# Altium PCB BMS-P00-V00_Edits.PcbDoc (part 1 of 2) (continued)
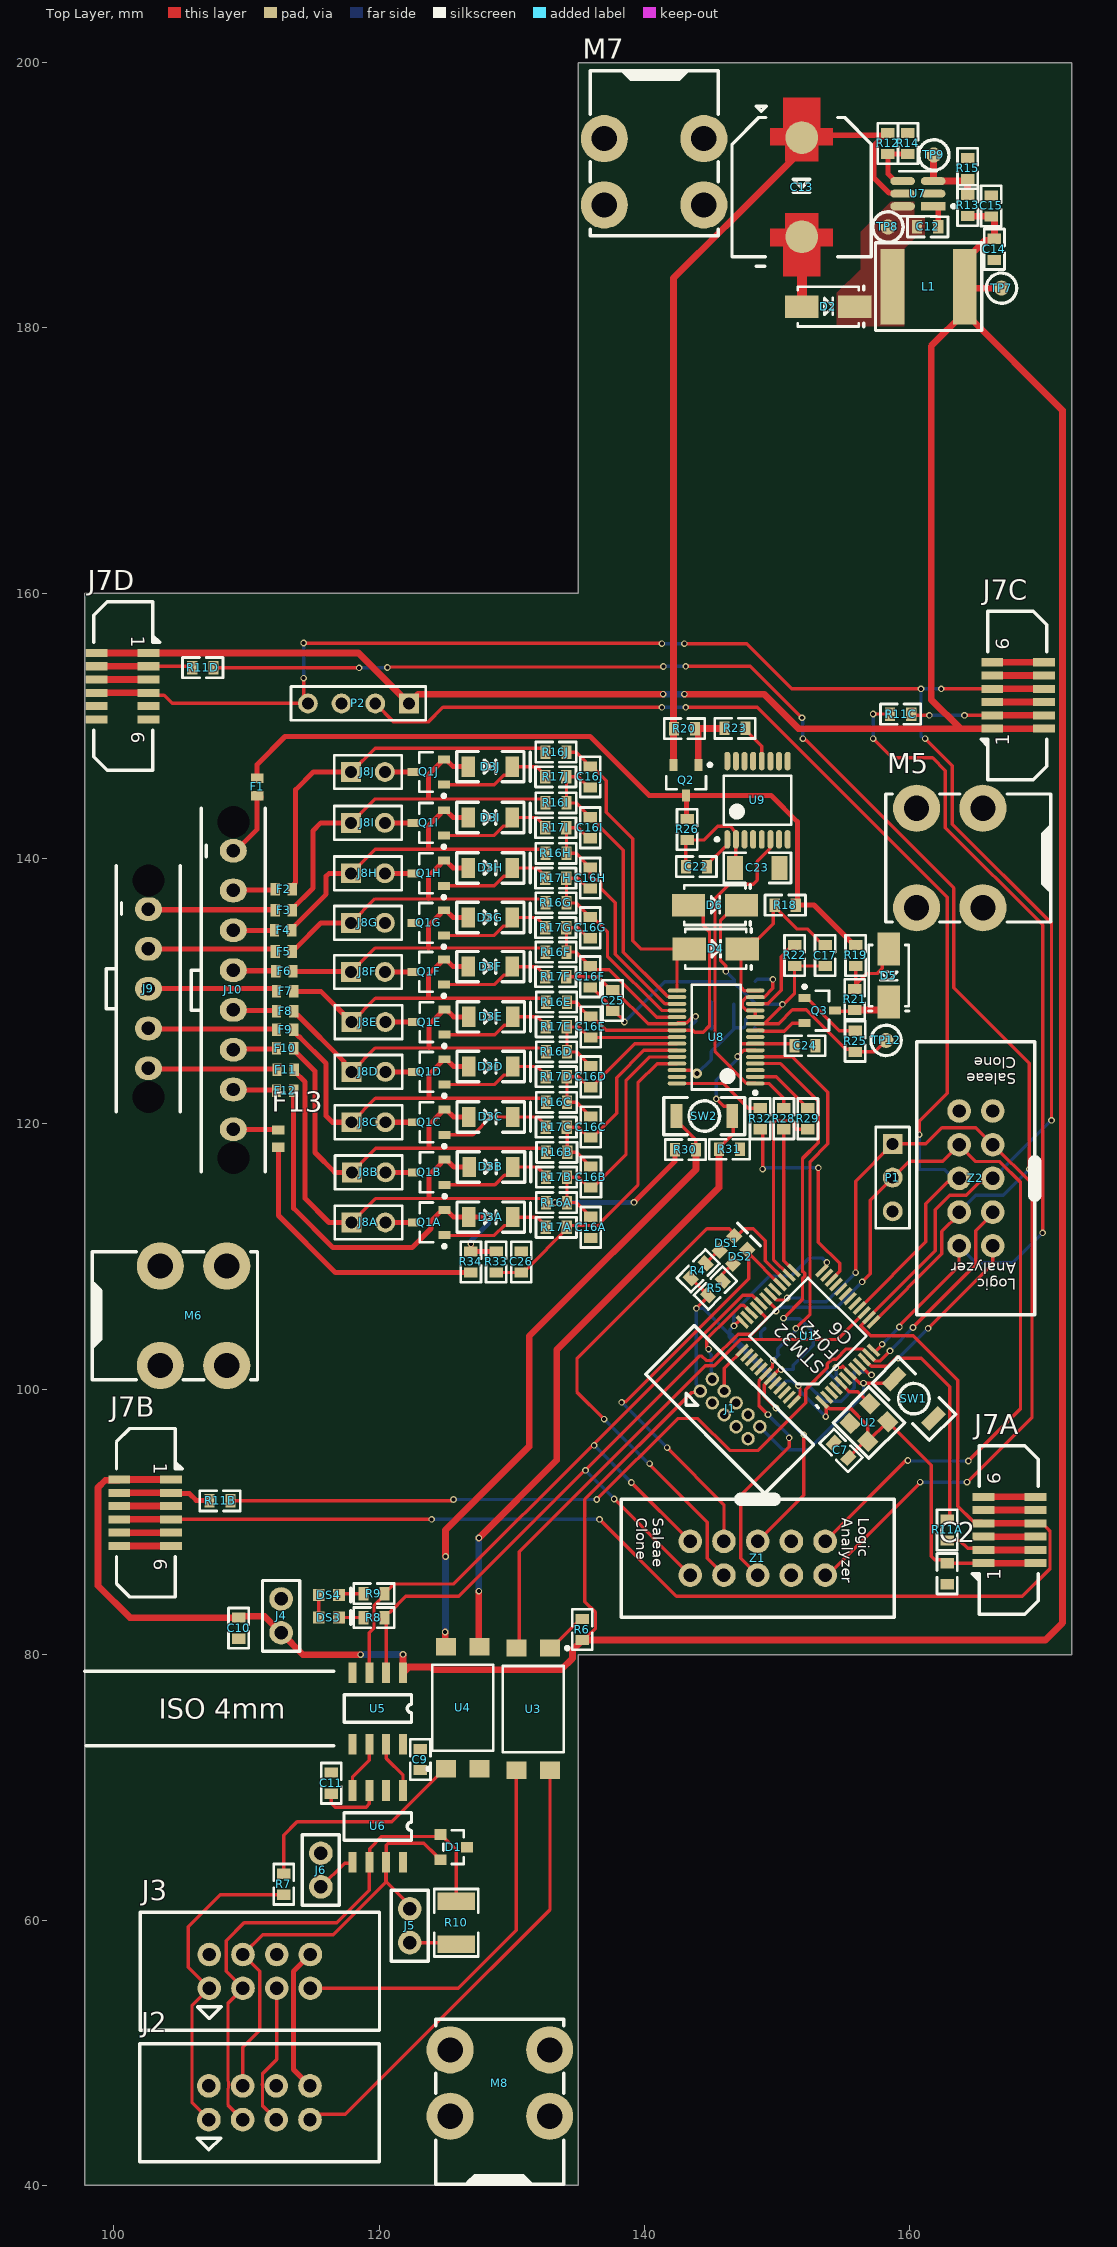
[diagram p0: Top Layer view]
## Components (designator, comment, footprint, x,y, rotation, side; value= is the part's Value field where it differs from the comment)
C1 "100nF" Cap_Ceramic_0603 151.708,108.075 r135 bottom
C2 "4u7" Cap_Ceramic_0603 162.8,86.1 r90 top
C3 "100nF" Cap_Ceramic_0603 151.778,99.78 r45 bottom
C4 "4u7" Cap_Ceramic_0603 152.883,98.644 r45 bottom
C5 "100nF" Cap_Ceramic_0603 147.069,104.588 r225 bottom
C6 "4u7" Cap_Ceramic_0603 148.246,103.343 r225 bottom
C7 "100nF" Cap_Ceramic_0603 154.8,95.4 r315 top
C8 "100nF" Cap_Ceramic_0603 154.169,102.021 r225 bottom
C9 "100nF" Cap_Ceramic_0603 123.1,72.1 r90 top
C10 "100nF" Cap_Ceramic_0603 109.4,82 r90 top
C11 "100nF" Cap_Ceramic_0603 116.383,70.315 r270 top
C12 "100nF 100V" Cap_Ceramic_0603 161.338,187.61 r180 top
C13 "47uF 80V 10% AluPoly 10x10mm" CAP_ALU_10x10mm 151.838,190.61 r90 top
C14 "47uF 16V 1210" Cap_Ceramic_0603 166.37,185.928 r90 top
C15 "47uF 16V 1210" Cap_Ceramic_0603 166.116,189.199 r270 top
C16A "220nF" Cap_Ceramic_0603 135.938,112.215 r90 top (schematic designator C16)
C16B "220nF" Cap_Ceramic_0603 135.957,115.993 r90 top (schematic designator C16)
C16C "220nF" Cap_Ceramic_0603 135.938,119.765 r90 top (schematic designator C16)
C16D "220nF" Cap_Ceramic_0603 135.938,123.565 r90 top (schematic designator C16)
C16E "220nF" Cap_Ceramic_0603 135.938,127.315 r90 top (schematic designator C16)
C16F "220nF" Cap_Ceramic_0603 135.902,131.095 r90 top (schematic designator C16)
C16G "220nF" Cap_Ceramic_0603 135.902,134.795 r90 top (schematic designator C16)
C16H "220nF" Cap_Ceramic_0603 135.904,138.531 r90 top (schematic designator C16)
C16I "220nF" Cap_Ceramic_0603 135.904,142.331 r90 top (schematic designator C16)
C16J "220nF" Cap_Ceramic_0603 135.904,146.165 r90 top (schematic designator C16)
C17 "220nF" Cap_Ceramic_0603 153.6,132.693 r90 top
C18 "1uF 25V" Cap_Ceramic_0603 147.545,130.743 r0 bottom
C19 "10uF 25V 1206" Cap_Ceramic_1206 146.696,125.161 r0 bottom
C20 "220nF" Cap_Ceramic_0603 147.5,129.017 r0 bottom
C21 "1uF 25V" Cap_Ceramic_0603 147.489,127.262 r0 bottom
C22 "470nF" Cap_Ceramic_0603 143.9,139.4 r0 top
C23 "10uF 25V 1206" Cap_Ceramic_1206 148.5,139.3 r180 top
C24 "1uF 25V" Cap_Ceramic_0603 152.1,125.9 r180 top
C25 "220nF" Cap_Ceramic_0603 137.6,129.3 r90 top
C26 "220nF" Cap_Ceramic_0603 130.7,109.6 r270 top
D1 "NUP2105L" NUP2105L 125.6,65.5 r270 top
D2 "B260A-13-F" SMA 153.838,181.61 r0 top
D3A "BZT52C5V6-7-F" SOD123 128.403,112.981 r0 top (schematic designator D3)
D3B "BZT52C5V6-7-F" SOD123 128.422,116.759 r0 top (schematic designator D3)
D3C "BZT52C5V6-7-F" SOD123 128.403,120.531 r0 top (schematic designator D3)
D3D "BZT52C5V6-7-F" SOD123 128.403,124.331 r0 top (schematic designator D3)
D3E "BZT52C5V6-7-F" SOD123 128.403,128.081 r0 top (schematic designator D3)
D3F "BZT52C5V6-7-F" SOD123 128.367,131.861 r0 top (schematic designator D3)
D3G "BZT52C5V6-7-F" SOD123 128.367,135.561 r0 top (schematic designator D3)
D3H "BZT52C5V6-7-F" SOD123 128.369,139.297 r0 top (schematic designator D3)
D3I "BZT52C5V6-7-F" SOD123 128.369,143.097 r0 top (schematic designator D3)
D3J "BZT52C5V6-7-F" SOD123 128.369,146.931 r0 top (schematic designator D3)
D4 "1N4448WQ-7-F" SMA 145.361,133.192 r0 top
D5 "1N4448WQ-7-F" SMA 158.402,131.187 r270 top
D6 "1N4448WQ-7-F" SMA 145.3,136.5 r0 top
DS1 "LED Orange" "LED ORANGE 0603" 146.2,111 r45 top
DS2 "LED Orange" "LED ORANGE 0603" 147.2,110 r45 top
DS3 "LED Blue 0603" "LED BLUE 0603" 116.2,82.8 r0 top
DS4 "LED Blue 0603" "LED BLUE 0603" 116.2,84.5 r0 top
F1 "3412.0124.22" 3412.0124.22 110.8,145.4 r90 top
F2 "3412.0124.22" 3412.0124.22 112.8,137.7 r0 top
F3 "3412.0124.22" 3412.0124.22 112.8,136.1 r0 top
F4 "3412.0124.22" 3412.0124.22 112.75,134.6 r0 top
F5 "3412.0124.22" 3412.0124.22 112.8,133 r0 top
F6 "3412.0124.22" 3412.0124.22 112.85,131.5 r0 top
F7 "3412.0124.22" 3412.0124.22 112.9,130 r0 top
F8 "3412.0124.22" 3412.0124.22 112.9,128.5 r0 top
F9 "3412.0124.22" 3412.0124.22 112.9,127.1 r0 top
F10 "3412.0124.22" 3412.0124.22 112.9,125.7 r0 top
F11 "3412.0124.22" 3412.0124.22 112.95,124.1 r0 top
F12 "3412.0124.22" 3412.0124.22 112.9,122.5 r0 top
F13 "3412.0124.22" 3412.0124.22 112.4,118.9 r270 top
FID1 "Fiducial 1MM" "FIDUCIAL 1MM" 401.58,53.373 r0 top
FID2 "Fiducial 1MM" "FIDUCIAL 1MM" 387.991,53.373 r90 top
FID3 "Fiducial 1MM" "FIDUCIAL 1MM" 374.402,53.373 r90 top
FID4 "Fiducial 1MM" "FIDUCIAL 1MM" 360.813,53.373 r90 top
J1 "IDC 10P 2x5 1.27mm" "IDC 1.27MM 10P" 146.447,98.527 r315 top
J2 "IDC 8P 2x4" "IDC 2.54MM 8P" 110.97,46.228 r0 top
J3 "IDC 8P 2x4" "IDC 2.54MM 8P" 110.998,56.134 r0 top
J4 "Jumper 2Way Pins" Jumper_2Way_Pin 112.6,84.2 r90 top
J5 "Jumper 2Way Pins" Jumper_2Way_Pin 122.3,58.3 r270 top
J6 "Jumper 2Way Pins" Jumper_2Way_Pin 115.6,62.5 r270 top
J7A "0526100672" 526100672 167.5,89.4 r90 top (schematic designator J7)
J7B "0526100672" 526100672 102.35,90.7 r270 top (schematic designator J7)
J7C "0526100672" 526100672 168.15,152.3 r90 top (schematic designator J7)
J7D "0526100672" 526100672 100.65,153 r270 top (schematic designator J7)
J8A "Bleed Header" HDR1X2 117.914,112.581 r0 top (schematic designator J8)
J8B "Bleed Header" HDR1X2 117.933,116.359 r0 top (schematic designator J8)
J8C "Bleed Header" HDR1X2 117.914,120.131 r0 top (schematic designator J8)
J8D "Bleed Header" HDR1X2 117.914,123.931 r0 top (schematic designator J8)
J8E "Bleed Header" HDR1X2 117.914,127.681 r0 top (schematic designator J8)
J8F "Bleed Header" HDR1X2 117.878,131.461 r0 top (schematic designator J8)
J8G "Bleed Header" HDR1X2 117.878,135.161 r0 top (schematic designator J8)
J8H "Bleed Header" HDR1X2 117.88,138.897 r0 top (schematic designator J8)
J8I "Bleed Header" HDR1X2 117.88,142.697 r0 top (schematic designator J8)
J8J "Bleed Header" HDR1X2 117.88,146.531 r0 top (schematic designator J8)
J9 "436500519" Microfit_1X5_V_TH 102.6,130.2 r90 top
J10 "436500819" Microfit_1X8_V_TH 109,130.1 r90 top
L1 "74404064221" Inductor_6x6mm 161.338,183.11 r0 top
LOGO1 "LBL High Voltage M" "LBL HV MEDIUM" 347.986,44.991 r0 top
LOGO2 "LBL High Voltage M" "LBL HV MEDIUM" 326.777,44.991 r0 top
LOGO3 "30mm Wide QUTMS Logo" "QUTMS LOGO 30MM" 332.501,29.5 r90 top
LYID1 "2 Layer Identification PCB Marker" "LAYER IDENT 2" 310.648,51.087 r0 top
M1 "Hole M3 Tight Unplated" "M3.2 UNPLATED" 409.327,52.357 r0 top
M2 "Hole M3 Tight Unplated" "M3.2 UNPLATED" 396.246,52.357 r0 top
M3 "Hole M3 Tight Unplated" "M3.2 UNPLATED" 382.53,52.357 r0 top
M4 "Hole M3 Tight Unplated" "M3.2 UNPLATED" 369.062,52.832 r0 top
M5 "7695-2" "Keystone 7790" 163,140.05 r90 top
M6 "7695-2" "Keystone 7790" 106,105.55 r270 top
M7 "7695-2" "Keystone 7790" 140.716,191.77 r180 top
M8 "7695-2" "Keystone 7790" 129.092,47.712 r0 top
P1 "UART" HDR1X3 158.7,118.5 r270 top
P2 "Header 4" HDR1X4 122.24,151.7 r180 top
Q1A "MOSFET N" PMV15UNEAR 123.754,112.581 r180 top (schematic designator Q1)
Q1B "MOSFET N" PMV15UNEAR 123.773,116.359 r180 top (schematic designator Q1)
Q1C "MOSFET N" PMV15UNEAR 123.754,120.131 r180 top (schematic designator Q1)
Q1D "MOSFET N" PMV15UNEAR 123.754,123.931 r180 top (schematic designator Q1)
Q1E "MOSFET N" PMV15UNEAR 123.754,127.681 r180 top (schematic designator Q1)
Q1F "MOSFET N" PMV15UNEAR 123.718,131.461 r180 top (schematic designator Q1)
Q1G "MOSFET N" PMV15UNEAR 123.718,135.161 r180 top (schematic designator Q1)
Q1H "MOSFET N" PMV15UNEAR 123.72,138.897 r180 top (schematic designator Q1)
Q1I "MOSFET N" PMV15UNEAR 123.72,142.697 r180 top (schematic designator Q1)
Q1J "MOSFET N" PMV15UNEAR 123.72,146.531 r180 top (schematic designator Q1)
Q2 "BST82,215" BST82,215 143.124,145.922 r270 top
Q3 "BST82,215" BST82,215 153.203,128.55 r0 top
R1 "2k2" Res_ThinFilm_0603 149.553,102.055 r225 bottom
R2 "2k2" Res_ThinFilm_0603 150.644,100.935 r225 bottom
R3 "4k7" Res_ThinFilm_0603 155.155,100.858 r45 bottom
R4 "330R" Res_ThinFilm_0603 144.039,108.939 r225 top
R5 "330R" Res_ThinFilm_0603 145.339,107.639 r225 top
R6 "100R" Res_ThinFilm_0603 135.3,81.9 r270 top
R7 "150R" Res_ThinFilm_0603 112.8,62.7 r90 top
R8 "330R" Res_ThinFilm_0603 119.6,82.8 r180 top
R9 "330R" Res_ThinFilm_0603 119.6,84.6 r180 top
R10 "120R 1% 1210" Res_ThinFilm_1210 125.8,59.8 r270 top
R11A "0R" Res_ThinFilm_0603 162.8,89.4 r270 top (schematic designator R11)
R11B "0R" Res_ThinFilm_0603 108,91.6 r180 top (schematic designator R11)
R11C "0R" Res_ThinFilm_0603 159.3,150.9 r0 top (schematic designator R11)
R11D "0R" Res_ThinFilm_0603 106.7,154.4 r180 top (schematic designator R11)
R12 "10k 1%" Res_ThinFilm_0603 158.338,193.903 r90 top
R13 "64k9 1%" Res_ThinFilm_0603 164.338,189.23 r270 top
R14 "620R 1%" Res_ThinFilm_0603 159.838,193.903 r270 top
R15 "19k6 1%" Res_ThinFilm_0603 164.338,192.024 r270 top
R16A "1k" Res_ThinFilm_0603 133.354,114.081 r0 top (schematic designator R16)
R16B "1k" Res_ThinFilm_0603 133.373,117.859 r0 top (schematic designator R16)
R16C "1k" Res_ThinFilm_0603 133.354,121.631 r0 top (schematic designator R16)
R16D "1k" Res_ThinFilm_0603 133.354,125.431 r0 top (schematic designator R16)
R16E "1k" Res_ThinFilm_0603 133.354,129.181 r0 top (schematic designator R16)
R16F "1k" Res_ThinFilm_0603 133.318,132.961 r0 top (schematic designator R16)
R16G "1k" Res_ThinFilm_0603 133.318,136.661 r0 top (schematic designator R16)
R16H "1k" Res_ThinFilm_0603 133.32,140.397 r0 top (schematic designator R16)
R16I "1k" Res_ThinFilm_0603 133.32,144.197 r0 top (schematic designator R16)
R16J "1k" Res_ThinFilm_0603 133.32,148.031 r0 top (schematic designator R16)
R17A "1k" Res_ThinFilm_0603 133.338,112.215 r0 top (schematic designator R17)
R17B "1k" Res_ThinFilm_0603 133.357,115.993 r0 top (schematic designator R17)
R17C "1k" Res_ThinFilm_0603 133.338,119.765 r0 top (schematic designator R17)
R17D "1k" Res_ThinFilm_0603 133.338,123.565 r0 top (schematic designator R17)
R17E "1k" Res_ThinFilm_0603 133.338,127.315 r0 top (schematic designator R17)
R17F "1k" Res_ThinFilm_0603 133.302,131.095 r0 top (schematic designator R17)
R17G "1k" Res_ThinFilm_0603 133.302,134.795 r0 top (schematic designator R17)
R17H "1k" Res_ThinFilm_0603 133.304,138.531 r0 top (schematic designator R17)
R17I "1k" Res_ThinFilm_0603 133.304,142.331 r0 top (schematic designator R17)
R17J "1k" Res_ThinFilm_0603 133.304,146.165 r0 top (schematic designator R17)
R18 "10k" Res_ThinFilm_0603 150.6,136.5 r0 top
R19 "10k" Res_ThinFilm_0603 155.902,132.703 r90 top
R20 "10M" Res_ThinFilm_0603 143,149.8 r180 top
R21 "10k" Res_ThinFilm_0603 155.838,129.393 r90 top
R22 "10k" Res_ThinFilm_0603 151.3,132.7 r90 top
R23 "0R" Res_ThinFilm_0603 146.814,149.812 r180 top
R24 "10k" Res_ThinFilm_0603 144.98,129.942 r270 bottom
R25 "100R" Res_ThinFilm_0603 155.87,126.232 r270 top
R26 "100R" Res_ThinFilm_0603 143.2,142.2 r90 top
R27 "10k" Res_ThinFilm_0603 144.239,127.358 r180 bottom
R28 "1k" Res_ThinFilm_0603 150.5,120.4 r270 top
R29 "1k" Res_ThinFilm_0603 152.3,120.4 r270 top
R30 "10k" Res_ThinFilm_0603 143.074,118.074 r180 top
R31 "10k" Res_ThinFilm_0603 146.393,118.1 r180 top
R32 "1k" Res_ThinFilm_0603 148.7,120.4 r270 top
R33 "10k" Res_ThinFilm_0603 128.8,109.6 r270 top
R34 "DNF 0603" Res_ThinFilm_0603 126.9,109.6 r90 top
SW1 "B3U-1000P" "BTN B3U-1000P" 160.3,99.3 r135 top
SW2 "B3U-1000P" "BTN B3U-1000P" 144.5,120.6 r180 top
TP7 "TestPoint_SMD" TestPointSMD 166.9,183 r0 top
TP8 "TestPoint_SMD" TestPointSMD 158.338,187.61 r0 top
TP9 "TestPoint_SMD" TestPointSMD 161.798,193.04 r0 top
TP12 "TestPoint_SMD" TestPointSMD 158.2,126.3 r0 top
U1 "STM32F042C6" STM32F042C6 153.373,99.055 r135 top
U2 "DSC1001DI1-008.0000T" DSC1001DI1-008.0000TCT-ND 156.9,97.5 r135 top
U3 "FOD817ASD" FOD817ASD 131.6,75.9 r270 top
U4 "FOD817ASD" FOD817ASD 126.3,76 r90 top
U5 "Si8621BC-B-IS" Si8621BC-B-IS 119.888,75.946 r270 top
U6 "SN65HVD233" SN65HVD233DR 119.888,67.064 r270 top
U7 "LMR14010" LMR14010 160.615,190.102 r180 top
U8 "BQ76930" bq76930 145.39,126.556 r180 top
U9 "BQ76200" BQ76200 148.505,144.399 r90 top
Z1 "LogicAnalyzerBreakOut" LogicAnalyzer 148.52,87.27 r270 top
Z2 "LogicAnalyzerBreakOut" LogicAnalyzer 164.97,115.9 r180 top

## Footprints (in the part's own frame and the unit in brackets; to place one, negate y for a bottom-side part, rotate by r counter-clockwise, add the part's x,y. Pads: shape width x height; smd on the part's side, far side on the other; paste and mask are expansions set on the pad)
3412.0124.22 [mm] "5A Fuse"
  rect 0.7x0.95 smd: 1(-0.65,0) 2(0.65,0)
  body extent -0.8,-0.48 0.8,0.48, height 0.55
526100672 [mm] "Easy-On FFC/FPC Connector, 1.00mm Pitch, Slider Series, Vertical, 5.75mm Height, 6 Circuits, Gold Plating"
  rect 0.61x1.651 smd: 1(-2.5,-1.95) 1(-2.5,1.95) 2(-1.5,1.95) 2(-1.5,-1.95) 3(-0.5,1.95) 3(-0.5,-1.95) 4(0.5,1.95) 4(0.5,-1.95) 5(1.5,1.95) 5(1.5,-1.95) 6(2.5,-1.95) 6(2.5,1.95)
  silkscreen extent -6.35,-2.16 6.35,2.79, body extent -6.3,-2.25 6.3,2.25, height 5.7
BQ76200 [mm] "TSOP, 16-Leads, Body 5.00x4.40mm, Pitch 0.65mm, IPC Medium Density"
  oval 1.4x0.45 smd: 1(-2.95,2.275) 2(-2.95,1.625) 3(-2.95,0.975) 4(-2.95,0.325) 5(-2.95,-0.325) 6(-2.95,-0.975) 7(-2.95,-1.625) 8(-2.95,-2.275) 9(2.95,-2.275) 10(2.95,-1.625) 11(2.95,-0.975) 12(2.95,-0.325) 13(2.95,0.325) 14(2.95,0.975) 15(2.95,1.625) 16(2.95,2.275)
  silkscreen extent -3.07,-2.55 1.85,3.17, body extent -3.21,-2.55 3.22,2.55, height 1.11
bq76930 [mm] "TSSOP, 30-Leads, Body 7.80x4.40mm, Pitch 0.50mm, IPC Medium Density"
  oval 1.4x0.3 smd: 1(-2.95,3.5) 2(-2.95,3) 3(-2.95,2.5) 4(-2.95,2) 5(-2.95,1.5) 6(-2.95,1) 7(-2.95,0.5) 8(-2.95,0) 9(-2.95,-0.5) 10(-2.95,-1) 11(-2.95,-1.5) 12(-2.95,-2) 13(-2.95,-2.5) 14(-2.95,-3) 15(-2.95,-3.5) 16(2.95,-3.5) 17(2.95,-3) 18(2.95,-2.5) 19(2.95,-2) 20(2.95,-1.5) 21(2.95,-1) 22(2.95,-0.5) 23(2.95,0) 24(2.95,0.5) 25(2.95,1) 26(2.95,1.5) 27(2.95,2) 28(2.95,2.5) 29(2.95,3) 30(2.95,3.5)
  silkscreen extent -3.08,-3.95 1.85,4.32, body extent -2.25,-3.95 2.25,3.95, height 1.2
BST82,215 [mm] "SOT23, 3-Leads, Body 2.90x2.30mm, Pitch 0.95mm, IPC Medium Density"
  rect 0.9x0.6 smd: D(1.15,0) G(-1.15,0.95) S(-1.15,-0.95)
  silkscreen extent -1.27,-1.5 0.7,1.93, body extent -0.7,-1.5 0.7,1.5, height 1.1
"BTN B3U-1000P" [mil] "OMRON B3U-1000P"
  rect 35x70 smd: 1(-82.68,0) 2(82.68,0)
  silkscreen extent -120,-55 120,55, body extent -79,-49 79,49, height 63
CAP_ALU_10x10mm [mm]
  round 2.466 smd paste+0 mask+0: A(3.738,-0.013) K(-3.737,-0.013)
  Top Layer region: 1.951,-1.25 1.951,1.25 3.151,1.25 3.151,2.35 4.451,2.35 4.451,1.397 6.731,1.397 6.731,-1.397 4.451,-1.397 4.451,-2.35 3.151,-2.35 3.151,-1.25
  Top Layer region: -1.949,-1.25 -1.949,1.25 -3.149,1.25 -3.149,2.35 -4.449,2.35 -4.449,1.397 -6.731,1.397 -6.731,-1.397 -4.449,-1.397 -4.449,-2.35 -3.149,-2.35 -3.149,-1.25
  silkscreen extent -5.97,-5.25 6.1,5.25, body extent -6.6,-5.5 6.6,5.5, height 0.25
Cap_Ceramic_0603 [mil]
  rect 30x40 smd: 1(-31.24,0) 2(31.24,0)
  silkscreen extent -60,-30 60,30, body extent -31,-16 31,16, height 33
Cap_Ceramic_1206 [mil]
  rect 47x71 smd: 1(-66.08,0) 2(66.08,0)
  silkscreen extent -100,-45 100,45, body extent -63,-31 63,31, height 53
DSC1001DI1-008.0000TCT-ND [mil]
  rect 48x43 smd: 1(-37.4,41.34) 2(37.4,41.34) 3(37.4,-41.34) 4(-37.4,-41.34)
  silkscreen extent -75,-75 75,75, body extent -49,-63 49,63, height 33
"FIDUCIAL 1MM" [mm]
  round 1 smd mask+1: 1(0,0)
  round 1 smd far side mask+1: 1(0,0)
  Keep-Out Layer circle w1.524: c0,0 r0.762
FOD817ASD [mm]
  rect 1.3x1.5 smd: 1(-4.6,1.27) 2(-4.6,-1.27) 3(4.6,-1.27) 4(4.6,1.27)
  silkscreen extent -4.72,-2.3 3.25,2.7, body extent -5.08,-2.3 5.08,2.3, height 3.85
HDR1X2 [mm] "Connector; Header; 2 Position"
  rect 1.5x1.5 hole 0.9: 1(0,0)
  round 1.5 hole 0.9: 2(2.54,0)
  silkscreen extent -1.27,-1.27 3.81,1.27
HDR1X3 [mm] "Connector; Header; 3 Position"
  rect 1.5x1.5 hole 0.9: 1(0,0)
  round 1.5 hole 0.9: 2(2.54,0) 3(5.08,0)
  silkscreen extent -1.27,-1.27 6.35,1.27
HDR1X4 [mm] "Connector; Header; 4 Position"
  rect 1.5x1.5 hole 0.9: 1(0,0)
  round 1.5 hole 0.9: 2(2.54,0) 3(5.08,0) 4(7.62,0)
  silkscreen extent -1.27,-1.27 8.89,1.27
"IDC 1.27MM 10P" [mil]
  round 40 hole 25: 1(-100,-25) 2(-100,25) 3(-50,-25) 4(-50,25) 5(0,-25) 6(0,25) 7(50,-25) 8(50,25) 9(100,-25) 10(100,25)
  silkscreen extent -250,-105 250,100, body extent -249,-104 249,100, height 214
"IDC 2.54MM 8P" [mil]
  round 70 hole 40: 1(-150,-50) 2(-150,50) 3(-50,-50) 4(-50,50) 5(50,-50) 6(50,50) 7(150,-50) 8(150,50)
  silkscreen extent -355,-175 355,175, body extent -354,-177 354,173, height 355
Inductor_6x6mm [mm]
  rect 1.8x5.7 smd: 1(-2.667,0) 2(2.794,0)
  silkscreen extent -3.94,-3.3 4.06,3.3, body extent -3,-3 3,3, height 4.56
Jumper_2Way_Pin [mil]
  round 70 hole 40: 1(-100,0) 2(0,0)
  silkscreen extent -155,-55 55,55, body extent -142,-48 42,47, height 332
"Keystone 7790" [mm] "4 Pin Screw Terminal, Power Tap M3 Through Hole, Right Angle"
  round 3.556 hole 1.905: 0(-3.75,-2.5) 0(-3.75,2.5) 0(3.75,-2.5) 0(3.75,2.5)
  silkscreen extent -4.83,-7.62 4.83,4.83, body extent -4.94,-7.62 4.69,3.89, height 8.18
"LAYER IDENT 2" [mm]
  Top Layer pour cut-out: 4.826,3.81
  Top Layer pour cut-out: -2.286,1.27 -2.286,-1.27 2.286,-1.27 2.286,1.27
  Top Layer pour cut-out: -0.254,0.762
  Top Layer pour cut-out: -0.508,-0.127
  Bottom Layer pour cut-out: -2.286,1.27 -2.286,-1.27 2.286,-1.27 2.286,1.27
"LBL HV MEDIUM" [mm]
"LED BLUE 0603" [mil]
  rect 35x35 smd: 1(-30,0) 2(30,0)
  silkscreen extent 65,-20 65,20, body extent -40,-20 40,20, height 30
"LED ORANGE 0603" [mil]
  rect 35x35 smd: 1(-30,0) 2(30,0)
  silkscreen extent 65,-20 65,20, body extent -40,-20 40,20, height 30
LMR14010 [mm]
  rect 1.854x0.612 smd paste+0 mask+0: 1(-1.136,0.933)
  rrect100% 1.854x0.612 smd paste+0 mask+0: 2(-1.136,-0.017) 3(-1.136,-0.967) 4(1.164,-0.967) 5(1.164,-0.017) 6(1.164,0.933)
  silkscreen extent -2.79,-1.72 1.41,1.68, body extent -2.56,-1.97 2.59,1.93, height 0.25
LogicAnalyzer [mil]
  round 70 hole 40: 1(-50,200) 2(50,200) 3(-50,100) 4(50,100) 5(-50,0) 6(50,0) 7(-50,-100) 8(50,-100) 9(-50,-200) 10(50,-200)
  silkscreen extent -175,-405 175,405, body extent -175,-404 175,404, height 359
"M3.2 UNPLATED" [mm]
  round 0 hole 3.2 unplated mask+2.6: 1(0,0)
  Keep-Out Layer circle w2.667: c0,0 r1.27
Microfit_1X5_V_TH [mil]
  oval 70x80 hole 40: 1(236.22,0) 2(118.11,0) 3(0,0) 4(-118.11,0) 5(-236.22,0)
  round 0 hole 95 unplated: NC(-320.87,0) NC(320.87,0)
  silkscreen extent -365,-95 365,125, body extent -367,-97 367,123, height 395
Microfit_1X8_V_TH [mil]
  oval 70x80 hole 40: 1(413.39,0) 2(295.28,0) 3(177.16,0) 4(59.05,0) 5(-59.06,0) 6(-177.17,0) 7(-295.28,0) 8(-413.39,0)
  round 0 hole 95 unplated: NC(-498.03,0) NC(498.03,0)
  silkscreen extent -540,-95 540,125, body extent -544,-97 544,123, height 395
NUP2105L [mm]
  rect 0.8x0.9 smd: 1(-0.95,-1) 2(0.95,-1) 3(0,1)
  silkscreen extent -1.27,-0.76 1.27,0.76, body extent -1.45,-1.22 1.45,1.18, height 1
PMV15UNEAR [mm] "SOT23, 3-Leads, Body 2.90x2.30mm, Pitch 0.95mm, IPC Medium Density"
  rect 0.9x0.6 smd: D(1.15,0) G(-1.15,0.95) S(-1.15,-0.95)
  silkscreen extent -1.28,-1.5 0.7,1.92, body extent -0.7,-1.5 0.7,1.5, height 1.1
"QUTMS LOGO 30MM" [mm]
  silkscreen extent -0.03,0.03 30.02,10.1
Res_ThinFilm_0603 [mil]
  rect 30x40 smd: 1(-31.24,0) 2(31.24,0)
  silkscreen extent -60,-30 60,30, body extent -31,-16 31,16, height 18
Res_ThinFilm_1210 [mm]
  rect 1.3x2.8 smd: 1(-1.625,0) 2(1.625,0)
  silkscreen extent -2.54,-1.65 2.54,1.65, body extent -1.6,-1.25 1.6,1.25, height 0.6
Si8621BC-B-IS [mm]
  rect 1.55x0.6 smd: 1(-2.7,1.905) 2(-2.7,0.635) 3(-2.7,-0.635) 4(-2.7,-1.905) 5(2.7,-1.905) 6(2.7,-0.635) 7(2.7,0.635) 8(2.7,1.905)
  silkscreen extent -1.04,-2.54 1.04,2.54, body extent -3.01,-2.45 3.01,2.45, height 1.63
SMA [mm]
  rect 2.5x1.7 smd: A(-2,0) K(2,0)
  silkscreen extent -2.3,-1.52 2.67,1.52, body extent -2.52,-1.46 2.52,1.46, height 2.4
SN65HVD233DR [mm]
  rect 1.55x0.6 smd: 1(-2.7,1.903) 2(-2.7,0.633) 3(-2.7,-0.637) 4(-2.7,-1.907) 5(2.7,-1.907) 6(2.7,-0.637) 7(2.7,0.633) 8(2.7,1.903)
  silkscreen extent -1.04,-2.54 1.04,2.54, body extent -3.01,-2.45 3.01,2.45, height 1.63
SOD123 [mil]
  rect 40x60 smd: A(-65,0) K(65,0)
  silkscreen extent -100,-45 118,45, body extent -74,-33 74,33, height 47
STM32F042C6 [mm]
  rect 1.2x0.3 smd: 1(0,0) 2(0,-0.5) 3(0,-1) 4(0,-1.5) 5(0,-2) 6(0,-2.5) 7(0,-3) 8(0,-3.5) 9(0,-4) 10(0,-4.5) 11(0,-5) 12(0,-5.5) 25(8.5,-5.5) 26(8.5,-5) 27(8.5,-4.5) 28(8.5,-4) 29(8.5,-3.5) 30(8.5,-3) 31(8.5,-2.5) 32(8.5,-2) 33(8.5,-1.5) 34(8.5,-1) 35(8.5,-0.5) 36(8.5,0)
  rect 0.3x1.2 smd: 13(1.5,-7) 14(2,-7) 15(2.5,-7) 16(3,-7) 17(3.5,-7) 18(4,-7) 19(4.5,-7) 20(5,-7) 21(5.5,-7) 22(6,-7) 23(6.5,-7) 24(7,-7) 37(7,1.5) 38(6.5,1.5) 39(6,1.5) 40(5.5,1.5) 41(5,1.5) 42(4.5,1.5) 43(4,1.5) 44(3.5,1.5) 45(3,1.5) 46(2.5,1.5) 47(2,1.5) 48(1.5,1.5)
  silkscreen extent -0.13,-5.86 7.36,0.51, body extent -0.27,-7.26 8.76,1.77, height 1.5
TestPointSMD [mil]
  round 45 smd: 1(0,0)
  silkscreen extent -45,-45 45,45

## Part data
C1 C3 C5 C7 C8 C9 C10 C11: library part "100nF 50V 5% X7R 0603", "Capacitor, Ceramic, SMD, 100nF, 50V, 5%, X7R, 0603"
C2 C4 C6: library part "4u7 50V 5% X7R 0603", "Capacitor, Ceramic, SMD, 4u7, 50V, 5%, X7R, 0603"
C12: library part "100nF 100V 5% X7R 0603", "Capacitor, Ceramic, SMD, 100nF, 100V, 5%, X7R, 0603"
C13: "Capacitor, AluPoly, SMD, 47uF, 80V, 10%, AluPoly, 10x10mm"
C14 C15: library part "47uF 16V 10% X7R 1210", "Capacitor, Ceramic, SMD, 47uF, 16V, 5%, X7R, 1210"
C16A C16B C16C C16D C16E C16F C16G C16H C16I C16J C17 C20 C25 C26: library part "220nF 50V 5% X7R 0603", "Capacitor, Ceramic, SMD, 220nF, 50V, 5%, X7R, 0603"
C18 C21 C24: library part "1uF 25V 5% X7R 0603", "Capacitor, Ceramic, SMD, 1uF, 25V, 5%, X7R, 0603"
C19 C23: library part "10uF 25V 10% X7R 1206", "Capacitor, Ceramic, SMD, 10uF, 25V, 10%, X7R, 1206"
C22: library part "470nF 50V 5% X7R 0603", "Capacitor, Ceramic, SMD, 470nF, 50V, 5%, X7R, 0603"
D2: "Diode, Schottky Barrier Rectifier, 60 V, 2 A, B260A-13-F"
D3A D3B D3C D3D D3E D3F D3G D3H D3I D3J: "Diode, SMD, Zender, 5.6V, 7%, 500mW, SOD-123", Manufacturer=Generic, MPN="1.8V 500mW"
D4 D5 D6: "Diode, SMD, 75V, 5%, 250mA, SOD123", Average Rectified Current=150mA, Forward Voltage=1V, Manufacturer="ON Semiconductor / Fairchild", Manufacturer Part Number=1N914BWS, Max Forward Surge Current (Ifsm)=4A, Max Operating Temperature=150°C, Max Repetitive Reverse Voltage (Vrrm)=75V, Max Reverse Leakage Current=5uA, Min Operating Temperature=-55°C, Package Quantity=1, Power Dissipation=200mW, Category="Rectifier Diodes", Contact Plating=Tin,Matte, Element Configuration=Single, Forward Current=150mA, Height=1mm, Lead Free="Lead Free", Length=1.8mm, Max Reverse Voltage (DC)=75V, Mount="Surface Mount", Number of Pins=2, Packaging="Tape and Reel", Peak Reverse Current=5uA, Radiation Hardening=No, REACH SVHC="No SVHC", Recovery Time=4ns, Reverse Recovery Time=4ns, Reverse Voltage=75V, Weight=0.0276g, Width=1.35mm
DS1 DS2: library part "LED ORANGE 0603"
DS3 DS4: library part "LED BLUE 0603"
F1 F2 F3 F4 F5 F6 F7 F8 F9 F10 F11 F12 F13: "FUSE BOARD MOUNT 5A 63VDC 0603"
J2 J3: "IDC 8P 2x5"
J4 J5 J6: library part "Jumper 2Way Side Pins", "Jumper 2Way Side Pins"
J7A J7B J7C J7D: library part 6PinMOLEX
J8A J8B J8C J8D J8E J8F J8G J8H J8I J8J: library part "Header 2", "Header, 2-Pin", LatestRevisionDate=17-Jul-2002, LatestRevisionNote="Re-released for DXP Platform.", Publisher="Altium Limited"
J9: library part Microfit_1x5
J10: library part Microfit_1x8
L1: "FIXED IND 220UH 660MA 850 MOHM", ComponentLink1Description=Digikey, ComponentLink1URL=https://www.digikey.com.au/product-detail/en/w%C3%BCrth-elektronik/74404064221/732-7261-1-ND/5353241, ComponentLink2Description="LCSC A", ComponentLink2URL=https://lcsc.com/product-detail/Power-Inductors_Sunlord-SWPA6045S221MT_C91047.html, ComponentLink3Description="LCSC B", ComponentLink3URL=https://lcsc.com/product-detail/Power-Inductors_SXN-Shun-Xiang-Nuo-Elec-SMNR6045-221MT_C467145.html
LOGO3: library part "QUTMS Logo 30mm"
LYID1: library part "Layer Identification 2"
M1 M2 M3 M4: "M3.2 Hole, No Plating"
M5 M6 M7 M8: "SNAP-INPC MOUNT"
P1: library part "Header 3", "Header, 3-Pin", LatestRevisionDate=17-Jul-2002, LatestRevisionNote="Re-released for DXP Platform.", Publisher="Altium Limited"
P2: "Header, 4-Pin", LatestRevisionDate=17-Jul-2002, LatestRevisionNote="Re-released for DXP Platform.", Publisher="Altium Limited"
Q1A Q1B Q1C Q1D Q1E Q1F Q1G Q1H Q1I Q1J: library part PMV15UNEAR, "MOSFET N-CH, 20V, SOT23", Manufacturer=Nexperia, Manufacturer Part Number=PMV15UNEAR
Q2 Q3: "MOSFET N-CH, 20V, SOT23"
R1 R2: library part "2k2 5% 0603", "Resistor, SMD, 2k2, 0.1W, 5%, 0603"
R3: library part "4k7 5% 0603", "Resistor, SMD, 4k7, 0.1W, 5%, 0603"
R4 R5 R8 R9: library part "330R 5% 0603", "Resistor, SMD, 330R, 0.1W, 5%, 0603"
R6 R25 R26: library part "100R 5%, 0603", "Resistor, SMD, 100R, 0.1W, 5%, 0603"
R7: library part "150R 5% 0603", "Resistor, SMD, 150R, 0.1W, 5%, 0603"
R10: "Resistor, SMD, 120R, 0.25W, 1%, 1210"
R11A R11B R11C R11D R23: library part "0R 5% 0603", "Resistor, SMD, 0R, 0.1W, 5%, 0603"
R12: library part "10k 1% 0603", "Resistor, SMD, 10k, 0.1W, 1%, 0603"
R13: library part "64k9 1% 0603", "Resistor, SMD, 64k9, 0.1W, 5%, 0603"
R14: library part "620R 1% 0603", "Resistor, SMD, 680R, 0.1W, 5%, 0603"
R15: library part "19k6 1% 0603", "Resistor, SMD, 19k6, 0.1W, 5%, 0603"
R16A R16B R16C R16D R16E R16F R16G R16H R16I R16J R17A R17B R17C R17D R17E R17F R17G R17H R17I R17J R28 R29 R32: library part "1k 5% 0603", "Resistor, SMD, 1k, 0.1W, 5%, 0603"
R18 R19 R21 R22 R24 R27 R30 R31 R33: library part "10k 5% 0603", "Resistor, SMD, 10k, 0.1W, 5%, 0603"
R20: library part "10M 5% 0603", "Resistor, SMD, 10M, 0.1W, 5%, 0603"
R34: "Resistor, SMD, DNF, 0.1W, 0603"
SW1 SW2: library part "BTN B3U-1000P", "Omron B3U-1000P Ultra Miniture Switch", ComponentLink1Description=LCSC, ComponentLink1URL=https://lcsc.com/product-detail/Tactile-Switches_BRIGHT-TSA063G50-250_C294565.html
U1: library part STM32042C6, "ARM® Cortex®-M0 STM32F0 Microcontroller IC 32-Bit 48MHz 32KB (32K x 8) FLASH 48-LQFP (7x7)", ComponentLink1Description=Digikey, ComponentLink1URL=https://www.digikey.com.au/product-detail/en/stmicroelectronics/STM32F042C6T6TR/497-19319-1-ND/10063344, ComponentLink2Description=Datasheet, ComponentLink2URL=https://www.st.com/resource/en/datasheet/stm32f042k6.pdf
U2: "on 8MHz XO (Standard) CMOS Oscillator 1.8 ~ 3.3V Standby (Power Down) 4-SMD, No Lead"
U3 U4: "Optoisolator 5kV Transistor 4SMD"
U8: "Battery Monitoring/Fuel Gauge Li-Ion/Li-Polymer/LiFePO4 0V to 16V 30-Pin TSSOP T/R", Case/Package=TFSOP, Manufacturer="Texas Instruments", Manufacturer Part Number=BQ7693003DBTR, Max Operating Temperature=85°C, Min Operating Temperature=-40°C, Operating Supply Voltage=25V, Output Voltage=16V, Package Quantity=2000, Supplier Part Number 1=296-39961-1-ND, Category="Battery Management", ComponentLink1Description=http://www.ti.com/lit/gpn/bq76930?src-supplier=Mouser, ComponentLink1URL=http://www.ti.com/lit/gpn/bq76930?src-supplier=Mouser, ComponentLink2Description=http://www.ti.com/lit/ds/symlink/bq76930.pdf?src-supplier=Digi-Key, ComponentLink2URL=http://www.ti.com/lit/ds/symlink/bq76930.pdf?src-supplier=Digi-Key, ComponentLink3Description=http://www.ti.com/lit/pdf/slpt038?src-supplier=Digi-Key, ComponentLink3URL=http://www.ti.com/lit/pdf/slpt038?src-supplier=Digi-Key, ComponentLink4Description=http://www.ti.com/general/docs/lit/getliterature.tsp?genericPartNumber=BQ76920&amp;&amp;fileType=pdf&src-supplier=Avnet+Asia, ComponentLink4URL=http://www.ti.com/general/docs/lit/getliterature.tsp?genericPartNumber=BQ76920&amp;&amp;fileType=pdf&src-supplier=Avnet+Asia, ComponentLink5Description=http://www.ti.com/general/docs/lit/getliterature.tsp?genericPartNumber=BQ76920&&fileType=pdf&src-supplier=Avnet, ComponentLink5URL=http://www.ti.com/general/docs/lit/getliterature.tsp?genericPartNumber=BQ76920&&fileType=pdf&src-supplier=Avnet, Contact Plating=Gold, Fault Protection="Over Current,Short Circuit,Over/Under Voltage", Interface=I2C, InternalPart=Test1234, Lead Free="Lead Free", Mount="Surface Mount", Number of Pins=30, Packaging="Tape and Reel", Pricing 1="1=4.66000, 10=4.18900, 25=3.96000, 100=3.25600, 250=2.92160, 500=2.81600, 1000=2.34080 (USD)", RoHS=Yes, Stock 1=4521, Supplier 1=Digi-Key, Weight=0.003439oz
U9: library part BQ76200PWR, "High-voltage battery pack front-end charge/discharge high-side NFET driver", Manufacturer="Texas Instruments", MPN=BQ76200PWR
Z1 Z2: library part LogicAnalyer
D1: ComponentLink1Description=Datasheet, ComponentLink1URL=https://www.onsemi.cn/PowerSolutions/document/NUP2105L-D.PDF, ComponentLink2Description=LCSC, ComponentLink2URL=https://lcsc.com/product-detail/TVS_ON-Semiconductor-NUP2105LT1G_C14486.html, ComponentLink3Description=Digikey, ComponentLink3URL=https://www.digikey.com.au/product-detail/en/on-semiconductor/SZNUP2105LT1G/SZNUP2105LT1GOSCT-ND/3487669
U5: ComponentLink1Description=Digikey, ComponentLink1URL=https://www.digikey.com.au/product-detail/en/silicon-labs/SI8621BC-B-ISR/336-4774-1-ND/8611005, ComponentLink2Description=Datasheet, ComponentLink2URL=https://www.silabs.com/documents/public/data-sheets/si861x-2x-datasheet.pdf
U6: ComponentLink1Description=LCSC, ComponentLink1URL=https://lcsc.com/product-detail/CAN-ICs_Texas-Instruments_SN65HVD233DRG4_Texas-Instruments-Texas-Instruments-SN65HVD233DRG4_C61643.html, ComponentLink2Description=Digikey, ComponentLink2URL=https://www.digikey.com.au/product-detail/en/texas-instruments/SN65HVD233DR/296-35967-1-ND/4134960, ComponentLink3Description=Datasheet, ComponentLink3URL=https://www.ti.com/lit/ds/symlink/sn65hvd233.pdf?ts=1588560888178, ComponentLink4Description="Ti Product Page", ComponentLink4URL=https://www.ti.com/product/SN65HVD233

## Via types
v1: diameter 0.5, hole 0.3, Top Layer to Bottom Layer, 87 vias
v2: diameter 0.762, hole 0.381, Top Layer to Bottom Layer, 1 vias

## Nets (pads, with @x,y where several pads share a name; then routed paths per layer and width w, separated by ;. In a path a pad name is that pad's centre, name@x,y a point inside that pad or via, vN(x,y) a via of type N, cw(c..) or ccw(c..) an arc to the next point about the centre after c; other vN are vias at no path point)
3V3: C1.2 C2.2 C3.2 C4.2 C5.2 C6.2 C7.2 C10.2 C14.2 C15.2 J1.1 J4.1 J7A.1 J7B.1 J7C.1 J7D.1 L1.2 P2.1 R1.2 R2.2 R3.2 R4.2 R5.2 R6.2 R13.2 TP7.1 U1.1 U1.9 U1.24 U1.36 U1.48 U2.1 U2.4 U5.1 | length 412.7
  Top Layer w0.254: R6.2@135.046,80.853 R6.2@135.046,80.98 ; R6.2@135.3,81.107 R6.2@135.427,81.107 ; R6.2@135.663,81.343 135.681,81.361 135.681,81.381 136.3,82 136.3,83.186 135.5,83.986 135.5,91.7 143.563,99.763 144.09,99.763 J1.1@144.201,99.874 ; R4.2@143.478,108.378 R5.2@144.778,107.078 144.778,106.978 v1(143.9,106.1) ; v1(146.736,104.791) 147.17,105.225 147.203,105.225 U1.36@147.362,105.065 ; U1.48@151.252,99.055 151.252,99.087 151.708,99.543 151.708,100.093 151.581,100.22 v1(151.581,100.287) ; U1.24@153.543,109.092 153.691,109.24 153.691,109.529 v1(153.731,109.569) ; v1(153.653,97.947) 153.691,97.985 153.691,98.736 U1.1@153.373,99.055 153.405,99.055 153.934,98.526 155.557,98.526 156.582,97.5 156.829,97.253 156.829,96.768 156.784,96.723 156.829,96.678 U2.1@156.829,96.086 ; C7.2@155.361,94.839 156.608,96.086 U2.1@156.829,96.086 ; U1.9@156.201,101.883 156.201,101.866 156.972,101.095 v1(157.1,101.095) ; J7A.1@165.55,86.9 162.807,86.9 C2.2@162.8,86.893 162.546,87.147 161.88,87.147 161.6,87.427 161.6,94.285 U2.4@158.314,97.571 U2.1@156.829,96.086
  Top Layer w0.381: U5.1@121.793,78.646 U5.1@121.856,78.709
  Top Layer w0.508: J7D.1@98.7,155.5 J7D.1@102.6,155.5 118.44,155.5 P2.1@122.24,151.7 122.94,152.4 v1(141.4,152.4) ; J7B.1@104.3,93.2 J7B.1@100.4,93.2 100.349,93.149 99.349,93.149 98.8,92.6 98.8,85.2 101.207,82.793 C10.2@109.4,82.793 109.507,82.9 111.36,82.9 J4.1@112.6,81.66 114.26,80 v1(118.6,80) ; U5.1@121.793,78.646 v1(121.793,80.022) ; U5.1@121.856,78.709 122.227,79.08 123.885,79.08 124.098,78.867 133.711,78.867 134.57,79.725 134.57,80.377 R6.2@135.046,80.853 ; R6.2@135.046,80.98 135.173,81.107 R6.2@135.3,81.107 ; R6.2@135.427,81.107 170.207,81.107 171.5,82.4 171.5,173.792 L1.2@164.132,181.16 ; v1(143,152.4) 149.007,152.4 151.608,149.8 163.8,149.8 ; R13.2@164.338,188.437 164.354,188.421 166.1,188.421 C15.2@166.116,188.405 166.243,188.405 166.37,188.278 C14.2@166.37,186.721 166.243,186.594 165.666,186.594 164.132,185.06 L1.2@164.132,183.11 ; J7A.1@165.55,86.9 J7A.1@169.45,86.9 ; TP7.1@166.9,183 164.242,183 L1.2@164.132,183.11 ; J7C.1@170.1,149.8 J7C.1@166.2,149.8 163.8,149.8 ; 163.8,149.8 161.6,152 161.6,178.628 L1.2@164.132,181.16 ; L1.2@164.132,181.16 L1.2@164.132,183.11
  Bottom Layer w0.254: J1.1@144.201,99.874 144.201,100.081 143.9,100.382 v1(143.9,106.1) 144.434,106.1 C5.2@146.508,104.027 ; C5.2@146.419,104.115 146.419,104.474 v1(146.736,104.791) 146.722,104.805 146.722,105.828 149.441,108.547 151.057,108.547 C1.2@151.147,108.636 152.41,109.9 153.4,109.9 v1(153.731,109.569) ; R2.2@149.994,100.464 150.067,100.391 150.426,100.391 150.667,100.633 151.138,100.633 151.437,100.334 151.534,100.334 151.628,100.24 151.628,99.972 v1(153.653,97.947) ; C3.2@152.339,100.341 152.339,100.311 C4.2@153.444,99.205 153.534,99.115 154.815,99.115 155.806,100.106 155.806,101.329 156.8,101.329 157.033,101.095 v1(157.1,101.095)
  Bottom Layer w0.508: v1(118.6,80) 118.622,80.022 v1(121.793,80.022) ; v1(141.4,152.4) v1(143,152.4) ; C5.2@146.508,104.027 146.508,103.993 147.685,102.816 C6.2@147.685,102.782 147.7,102.782 148.021,102.461 148.762,101.72 148.777,101.72 148.777,101.7 149.115,101.363 149.994,100.484 R2.2@149.994,100.464
36V: C13.A Q2.S R12.2 R20.2 U7.5 | length 63.8
  Top Layer w0.381: C13.A@151.851,194.348 152.025,194.523 R12.2@158.037,194.523 ; R12.2@158.338,194.697 158.211,194.697 R12.2@158.037,194.523 ; U7.5@159.451,190.119 159.406,190.163 158.424,190.163 157.288,191.299 157.288,193.774 R12.2@158.037,194.523
  Top Layer w0.508: Q2.S@142.174,147.222 142.174,149.768 R20.2@142.207,149.8 ; R20.2@142.207,149.927 142.186,149.948 142.186,183.757 146.08,187.651 146.082,187.654 151.476,193.047 151.476,193.974 C13.A@151.851,194.348
"BMS BOOT": R31.2 SW2.1 U4.3 U8.6 | length 55.4
  Top Layer w0.254: U4.3@127.5,80.554 U4.3@127.508,80.546 ; v1(145.4,121.9) 145.968,121.332 146.283,121.332 146.6,121.015 SW2.1@146.6,120.6 146.674,120.526 146.674,119.28 145.874,118.481 145.854,118.481 R31.2@145.6,118.227 ; v1(147.011,125.089) 147.469,125.547 148.332,125.547 U8.6@148.34,125.556
  Top Layer w0.508: U4.3@127.508,80.546 v1(127.508,84.792) ; v1(127.508,88.792) 133.372,94.656 133.372,102.972 145.6,115.2 R31.2@145.6,118.1 R31.2@145.6,118.227
  Bottom Layer w0.254: v1(145.4,121.9) 145.4,123.3 147.011,124.911 v1(147.011,125.089)
  Bottom Layer w0.508: v1(127.508,84.792) v1(127.508,88.792)
"BMS BOOT ISO": J2.1 J3.1 R7.1 | length 24.5
  Top Layer w0.254: J2.1@107.16,44.958 105.89,46.228 105.89,53.566 J3.1@107.188,54.864 105.6,56.452 105.6,59.5 108.007,61.907 R7.1@112.8,61.907